# Altium PCB ApolloEcho_Dev_Kit.PcbDoc (part 1 of 2)
Units mm, origin at the board's own origin, x right, y up, seen from the top; angles counter-clockwise.
Board outline 50 x 99.25 mm, 4 copper layers (Top Copper, Plane Layer 1 (Ground), Plane Layer 2 (PWR), Bottom Copper), stack 1.57 mm thick; 69 components, 60 nets, 306 pads, 858 vias.
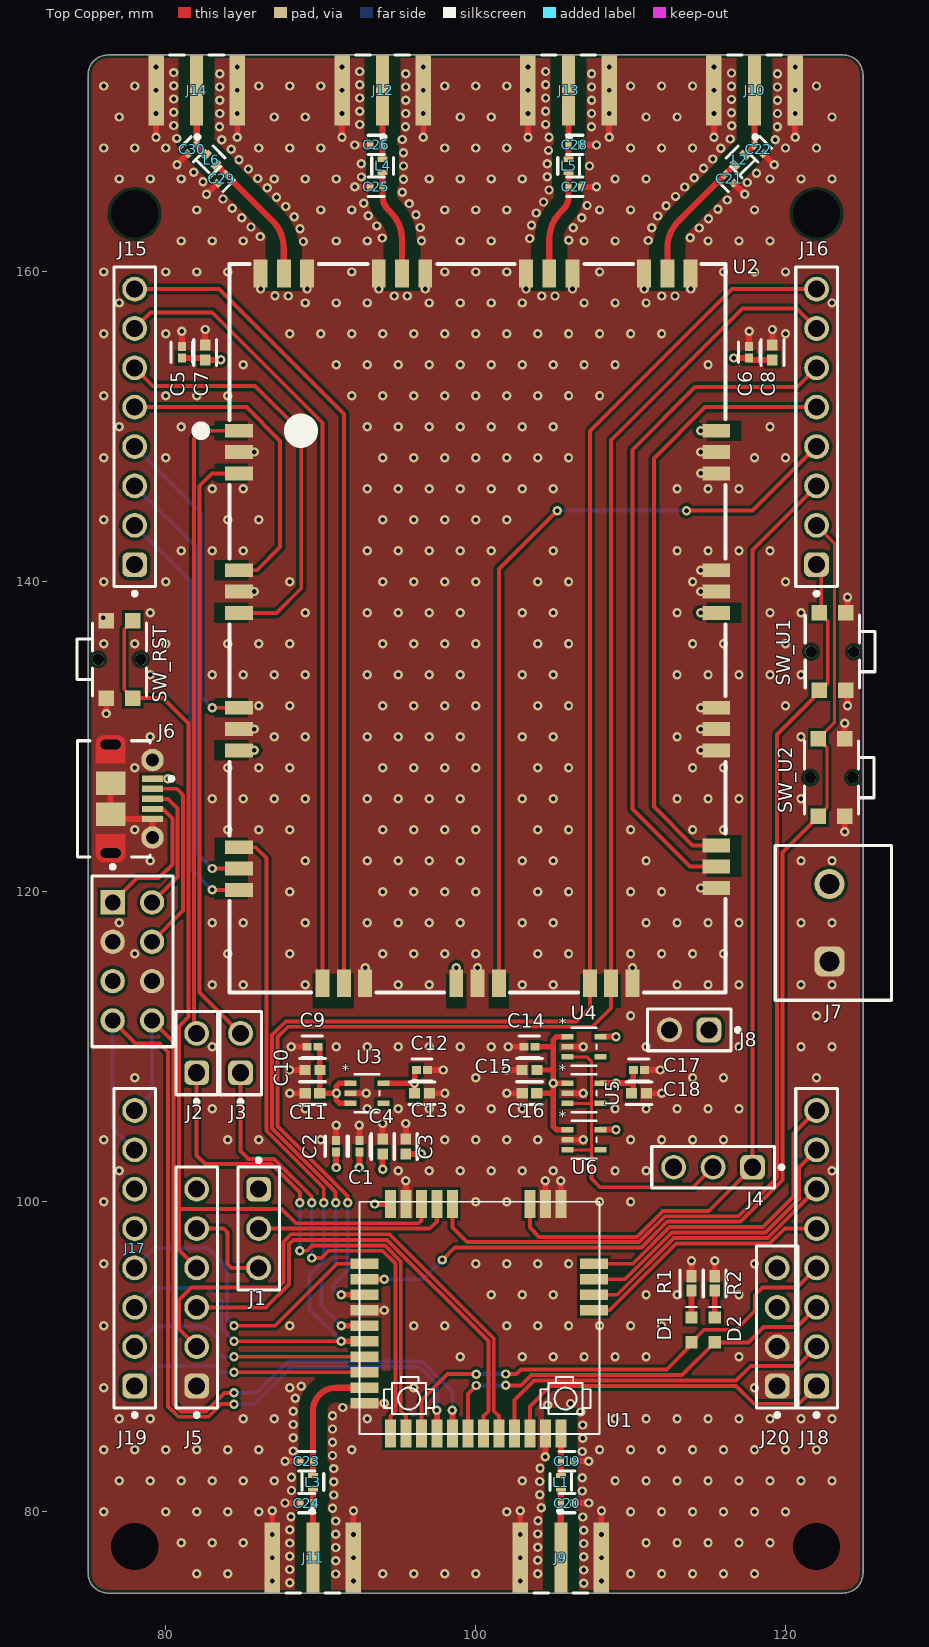
[diagram p0: Top Copper view]
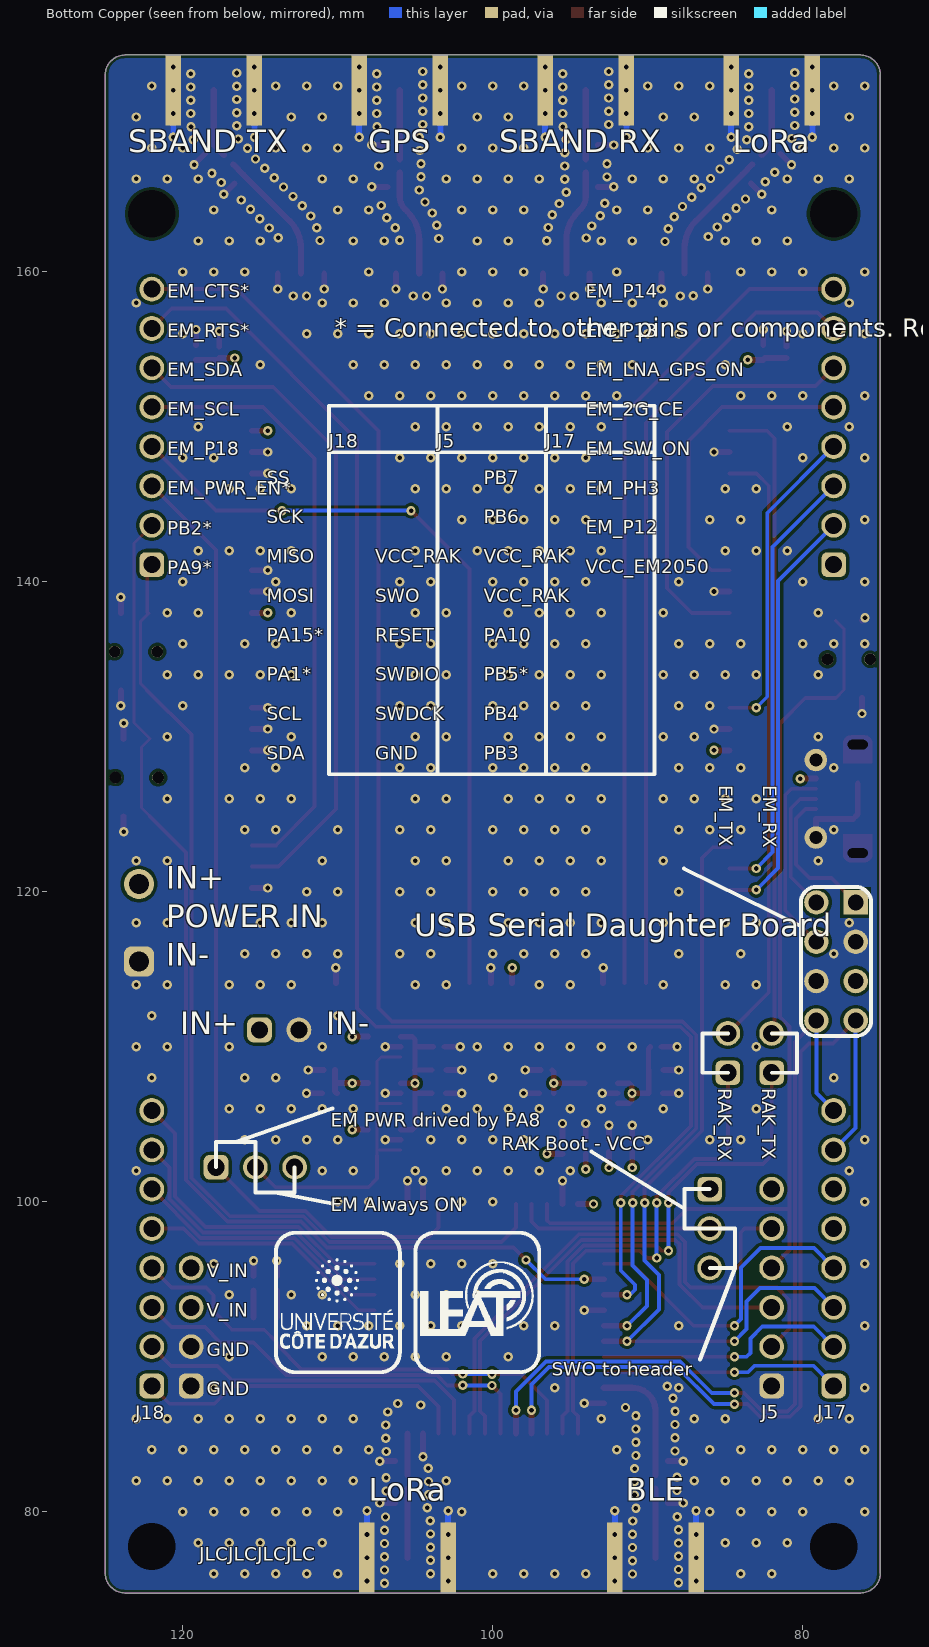
[diagram p1: Bottom Copper view, seen from below]
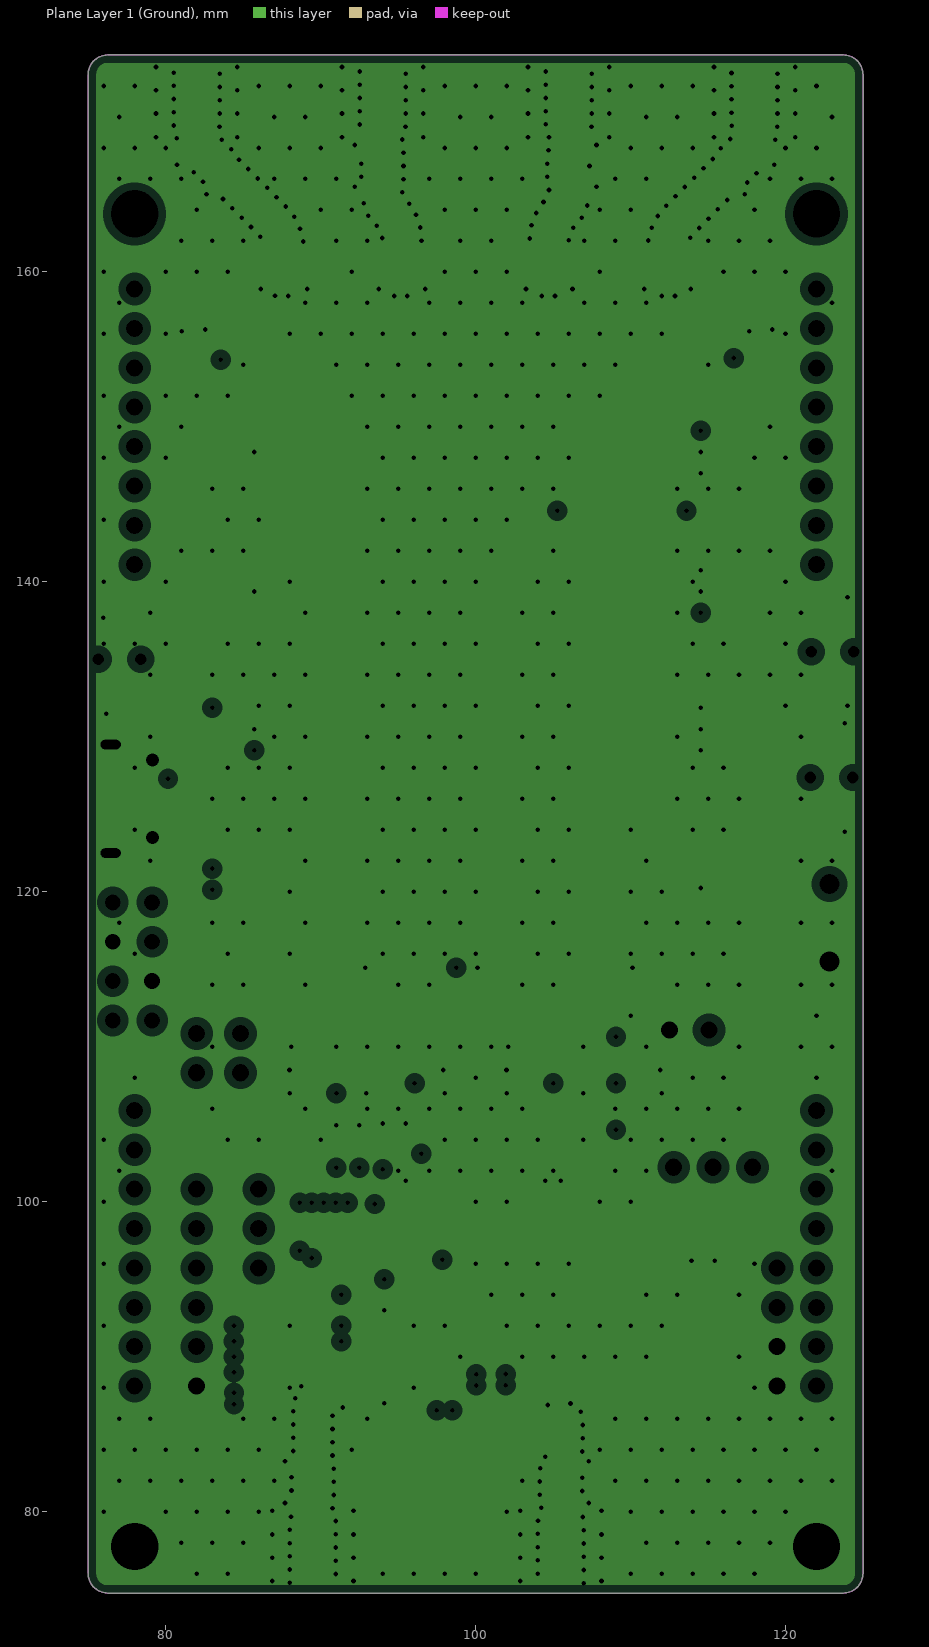
[diagram p2: Plane Layer 1 (Ground), clearances drawn from the general rule]
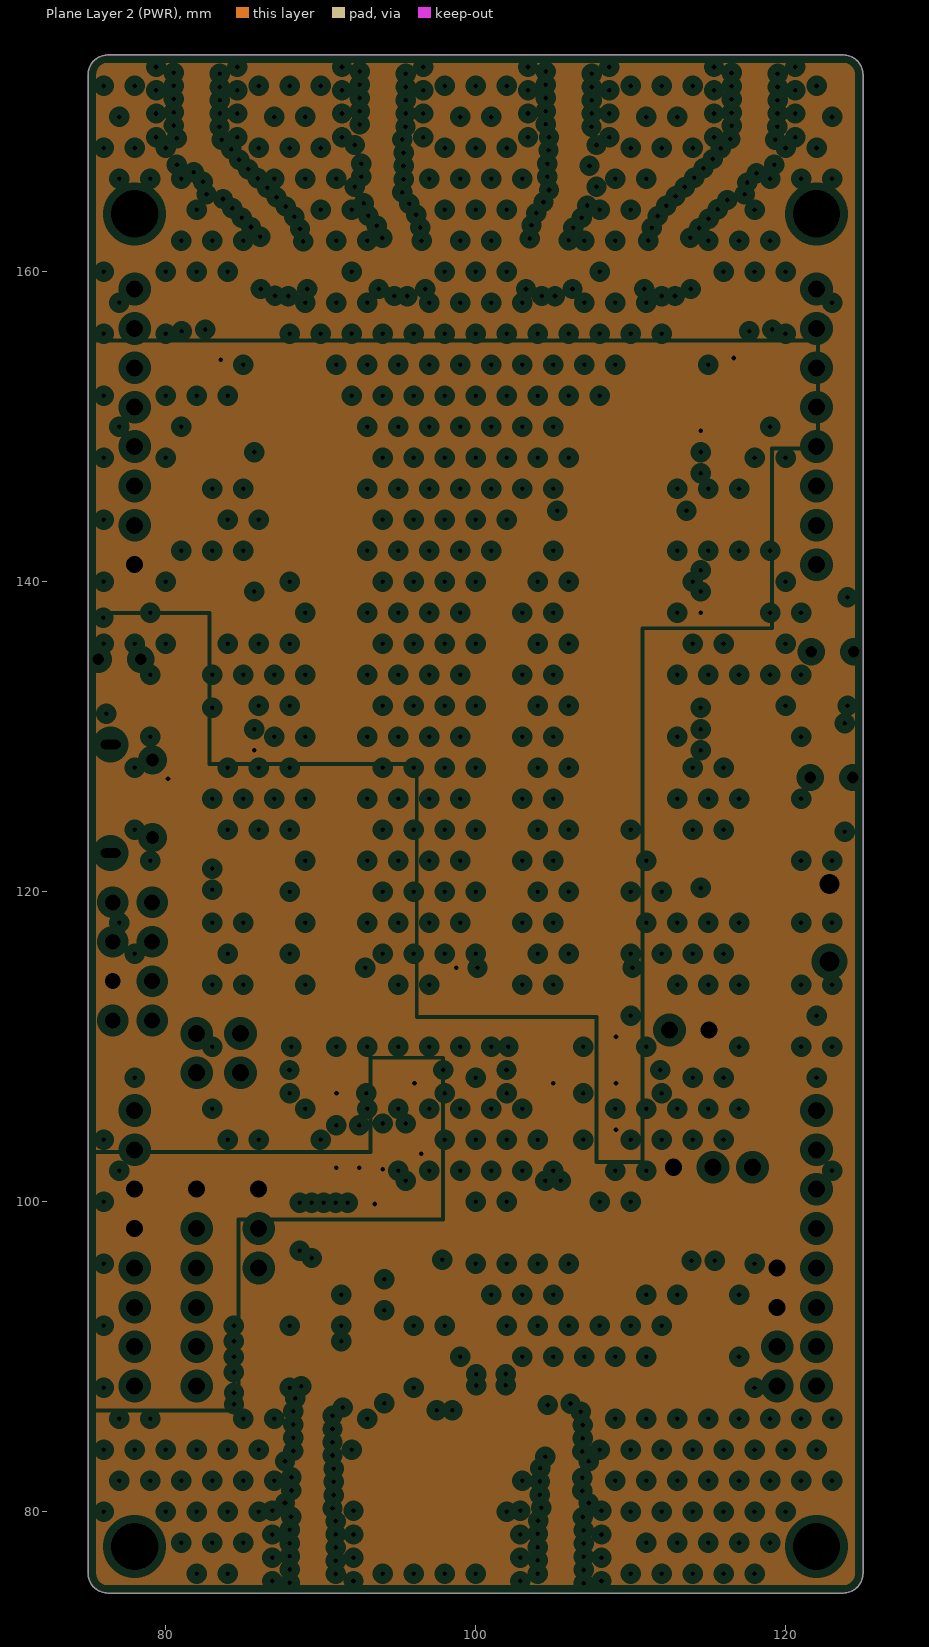
[diagram p3: Plane Layer 2 (PWR), clearances drawn from the general rule]
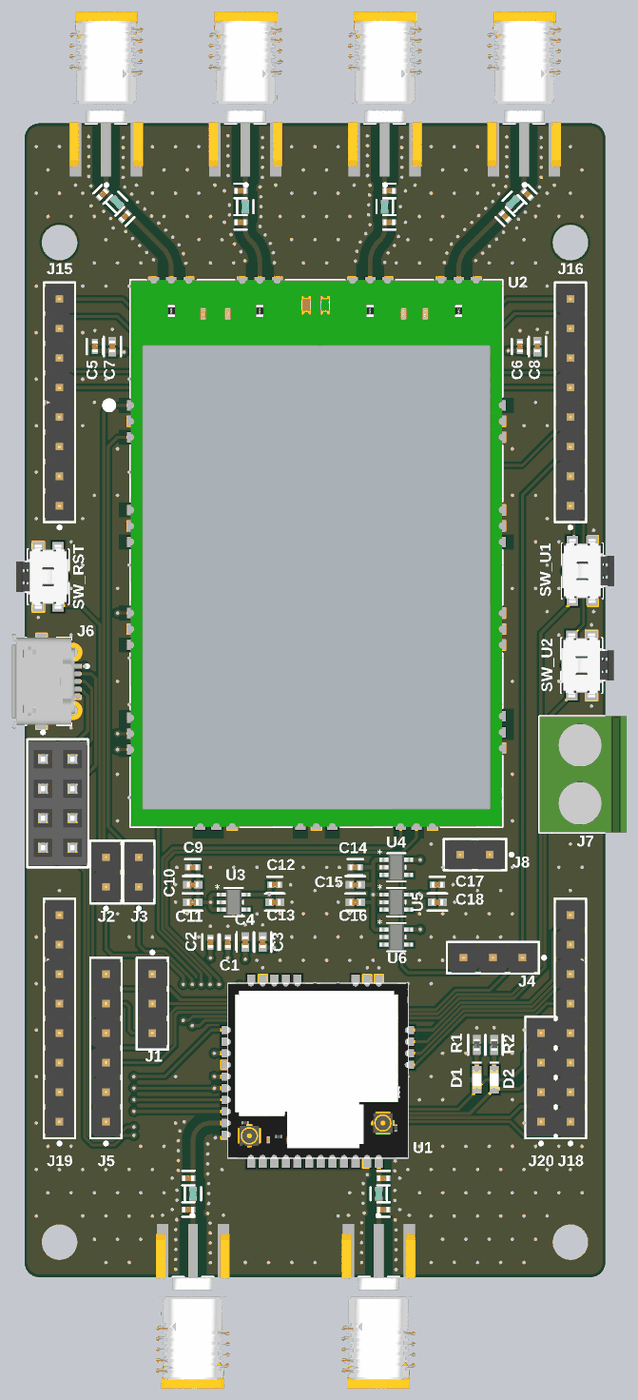
[diagram p5: 3D render of the assembled board from above, using the file's embedded part models]

## Layer stack, top to bottom
Top Mask: solder mask 0.015, Solder Resist, Dk 3.8
Top Copper: signal copper 0.035
Dielectric 1: prepreg 0.2, 7628, Dk 4.6
Plane Layer 1 (Ground): plane copper 0.0175, net GND
Core: core 1.065, FR-4, Dk 4.5
Plane Layer 2 (PWR): plane copper 0.0175, net (Multiple Nets)
Dielectric 2: prepreg 0.2, 7628, Dk 4.6
Bottom Copper: signal copper 0.035
Bottom Mask: solder mask 0.015, Solder Resist, Dk 3.8

## Board outline
75,76.02 ccw(c76.27,76.02) 76.27,74.75 123.73,74.75 ccw(c123.73,76.02) 125,76.02 125,172.73 ccw(c123.73,172.73) 123.73,174 76.27,174 ccw(c76.27,172.73) 75,172.73

## Design rules (kind name [scope] priority, off if disabled: settings)
BoardOutlineClearance [All] p1: gap=0.2 ignorepadtopadclearanceinfootprint=FALSE except(0.4: Arc-SplitBarrior Arc-SplitContinuation Track-SplitBarrior Track-SplitContinuation SMDPad-SplitBarrior SMDPad-SplitContinuation THPad-SplitBarrior THPad-SplitContinuation Via-SplitBarrior Via-SplitContinuation Fill-SplitBarrior Fill-SplitContinuation Poly-SplitBarrior Poly-SplitContinuation Region-SplitBarrior Region-SplitContinuation Text-SplitBarrior Text-SplitContinuation)
Clearance Clearance_RF [InNamedPolygon('GND_L01_P000') vs InNetClass('RF_Nets')] p1: gap=0.2 ignorepadtopadclearanceinfootprint=FALSE except(0.089: Arc-Arc Arc-Track Arc-SMDPad Track-Track Track-SMDPad SMDPad-SMDPad; 0.127: Arc-Via Track-Via SMDPad-Via THPad-Via Via-Via; 0.254: Arc-Text Track-Text SMDPad-Text THPad-Text Via-Text Fill-Text Poly-Text Region-Text Text-Text; 0.75: Arc-Poly Track-Poly SMDPad-Poly)
Clearance [All] p2: gap=0.2 ignorepadtopadclearanceinfootprint=FALSE except(0.089: Arc-Arc Arc-Track Arc-SMDPad Track-Track Track-SMDPad SMDPad-SMDPad; 0.127: Arc-Via Track-Via SMDPad-Via THPad-Via Via-Via; 0.254: Arc-Text Track-Text SMDPad-Text THPad-Text Via-Text Fill-Text Poly-Text Region-Text Text-Text)
HoleSize [All] p1: absolutevalues=TRUE maxlimit=6.3 minlimit=0.2 maxpercent=80.000 minpercent=20.000
MinimumAnnularRing [All] p1: minimumring=0.076
MinimumSolderMaskSliver [All] p1: minsoldermaskwidth=0.1
PlaneClearance [All] p1: clearance=0.508
PlaneConnect [All] p1: planeconnectstyle=Direct reliefexpansion=0.508 reliefentries=4 reliefconductorwidth=0.254 reliefairgap=0.254
PolygonConnect PolygonConnect_1 [All] p1: connectstyle=Direct reliefconductorwidth=0.508 reliefentries=4 polygonreliefangle="90 Angle" airgapwidth=0.254
RoutingCorners [All] p1: cornerstyle=Round minsetback=2.54 maxsetback=2.54
RoutingVias [All] p1: holewidth=0.5 width=1 viastyle="Through Hole" minholewidth=0.2 minwidth=0.45 maxholewidth=1 maxwidth=2
SilkToSilkClearance [All] p1: silktosilkclearance=0.1
SilkToSolderMaskClearance [IsPad] p1: minsilkscreentomaskgap=0.1 clearancetoexposedcopper=TRUE
SolderMaskExpansion [All] p1: expansion=0.102 istentingtop=FALSE
Width [All] p1: maxlimit=2.54 minlimit=0.089 preferedwidth=0.381
23 further rules are at their usual default settings.

## Classes and differential pairs
net class RF_Nets: EM_RF_GPS EM_RF_LORA_SBAND_RX EM_RF_LORA_SBAND_TX EM_RF_LORA_SUBGHZ NetC20_1 NetC22_1 NetC24_1 NetC26_1 NetC28_1 NetC30_1 RAK_BLE_RF_OUT RAK_RF_OUT
component class RF: C19 C20 C21 C22 C23 C24 C25 C26 C27 C28 C29 C30 J9 J10 J11 J12 J13 J14 L1 L2 L3 L4 L5 L6
component class RAK11720: C1 C2 C3 C4 D1 D2 J1 J5 R1 R2 SW_RST SW_U1 SW_U2 U1
component class Power: C9 C10 C11 C12 C13 C14 C15 C16 C17 C18 J4 J6 J7 J8 U3 U4 U5 U6
component class IOs: J15 J16 J17 J18 J19 J20
component class EM2050: C5 C6 C7 C8 J2 J3 U2

## Components (designator, comment, footprint, x,y, rotation, side; value= is the part's Value field where it differs from the comment)
C1 "0402ZD104KAT2A" FP-0402-L_1_0_1-W_0_5_0_1-IPC_C 92.5,103.571 r90 top locked
C2 "0402ZD104KAT2A" FP-0402-L_1_0_1-W_0_5_0_1-IPC_C 91,103.571 r90 top locked
C3 "EMK105BJ105KV-F" FP-0402-L_1_0_0_05-W_0_5-IPC_A 95.5,103.571 r90 top locked
C4 "EMK105BJ105KV-F" FP-0402-L_1_0_0_05-W_0_5-IPC_A 94,103.571 r90 top locked
C5 "0402ZD104KAT2A" FP-0402-L_1_0_1-W_0_5_0_1-IPC_C 81.047,154.807 r90 top
C6 "0402ZD104KAT2A" FP-0402-L_1_0_1-W_0_5_0_1-IPC_C 117.652,154.807 r90 top
C7 "EMK105BJ105KV-F" FP-0402-L_1_0_0_05-W_0_5-IPC_A 82.547,154.807 r90 top
C8 "EMK105BJ105KV-F" FP-0402-L_1_0_0_05-W_0_5-IPC_A 119.152,154.807 r90 top
C9 "0402ZD104KAT2A" FP-0402-L_1_0_1-W_0_5_0_1-IPC_C 89.472,110 r180 top
C10 "EMK105BJ105KV-F" FP-0402-L_1_0_0_05-W_0_5-IPC_A 89.472,108.5 r180 top
C11 "C1005X5R1A225K050BC" FP-C1005-050-0_05-IPC_A 89.472,107 r180 top
C12 "0402ZD104KAT2A" FP-0402-L_1_0_1-W_0_5_0_1-IPC_C 96.54,108.5 r0 top
C13 "EMK105BJ105KV-F" FP-0402-L_1_0_0_05-W_0_5-IPC_A 96.54,107 r0 top
C14 "0402ZD104KAT2A" FP-0402-L_1_0_1-W_0_5_0_1-IPC_C 103.472,110 r180 top
C15 "EMK105BJ105KV-F" FP-0402-L_1_0_0_05-W_0_5-IPC_A 103.472,108.5 r180 top
C16 "C1005X5R1A225K050BC" FP-C1005-050-0_05-IPC_A 103.472,107 r180 top
C17 "0402ZD104KAT2A" FP-0402-L_1_0_1-W_0_5_0_1-IPC_C 110.54,108.5 r0 top
C18 "EMK105BJ105KV-F" FP-0402-L_1_0_0_05-W_0_5-IPC_A 110.54,107 r0 top
C19 "GJM1555C1H5R0CB01D" FP-GJM155-0_05-MFG 105.9,83.26 r0 top locked
C20 "GJM1555C1H5R0CB01D" FP-GJM155-0_05-MFG 105.9,80.56 r0 top locked
C21 "GJM1555C1H5R0CB01D" FP-GJM155-0_05-MFG 116.374,165.998 r315 top locked
C22 "GJM1555C1H5R0CB01D" FP-GJM155-0_05-MFG 118.283,167.907 r315 top locked
C23 "GJM1555C1H5R0CB01D" FP-GJM155-0_05-MFG 89.1,83.26 r180 top locked
C24 "GJM1555C1H5R0CB01D" FP-GJM155-0_05-MFG 89.1,80.56 r180 top locked
C25 "GJM1555C1H5R0CB01D" FP-GJM155-0_05-MFG 93.6,165.49 r180 top locked
C26 "GJM1555C1H5R0CB01D" FP-GJM155-0_05-MFG 93.6,168.19 r180 top locked
C27 "GJM1555C1H5R0CB01D" FP-GJM155-0_05-MFG 106.4,165.49 r0 top locked
C28 "GJM1555C1H5R0CB01D" FP-GJM155-0_05-MFG 106.4,168.19 r0 top locked
C29 "GJM1555C1H5R0CB01D" FP-GJM155-0_05-MFG 83.626,165.998 r225 top locked
C30 "GJM1555C1H5R0CB01D" FP-GJM155-0_05-MFG 81.717,167.907 r225 top locked
D1 "150060VS75000" WL-SMCW_0603_150060xx75000 113.933,91.729 r270 top locked
D2 "150060RS75000" WL-SMCW_0603_150060xx75000 115.433,91.729 r270 top locked
J1 "61300311121" 61300311121 86,98.27 r270 top
J2 "61300211121" 61300211121 82,109.594 r90 top
J3 "61300211121" 61300211121 84.833,109.594 r90 top
J4 "61300311121" 61300311121 115.323,102.225 r180 top
J5 "61300611121" 61300611121 82,94.46 r90 top
J6 "105017-0001" USB-MICRO-B_V 77.8,126 r270 top
J7 "691137710002" 691137710002 123.082,118 r90 top
J8 "61300211121" 61300211121 113.781,111.088 r180 top
J9 "EMPCB.SMAFSTJ.B.HT" FP-EMPCB_SMAFSTJ_B_HT-MFG 105.5,70 r180 top locked
J10 "EMPCB.SMAFSTJ.B.HT" FP-EMPCB_SMAFSTJ_B_HT-MFG 118,178.75 r0 top locked
J11 "EMPCB.SMAFSTJ.B.HT" FP-EMPCB_SMAFSTJ_B_HT-MFG 89.5,70 r180 top locked
J12 "EMPCB.SMAFSTJ.B.HT" FP-EMPCB_SMAFSTJ_B_HT-MFG 94,178.75 r0 top locked
J13 "EMPCB.SMAFSTJ.B.HT" FP-EMPCB_SMAFSTJ_B_HT-MFG 106,178.75 r0 top locked
J14 "EMPCB.SMAFSTJ.B.HT" FP-EMPCB_SMAFSTJ_B_HT-MFG 82,178.75 r0 top locked
J15 "61300811121" 61300811121 78,150 r90 top
J16 "61300811121" 61300811121 122,150 r90 top
J17 "61300811121" 61300811121 78,97 r90 top
J18 "61300811121" 61300811121 122,97 r90 top locked
J19 "PPTC042LFBN-RC" FP-PPTC042LFBN-RC-MFG 77.851,115.505 r270 top
J20 "61300411121" 61300411121 119.46,91.92 r90 top locked
L1 "LQW15AN2N9D00D" FP-LQW15AN_00-W0_6-0_1-MFG 105.5,81.91 r270 top locked
L2 "LQW15AN2N9D00D" FP-LQW15AN_00-W0_6-0_1-MFG 117.045,167.235 r45 top locked
L3 "LQW15AN2N9D00D" FP-LQW15AN_00-W0_6-0_1-MFG 89.5,81.91 r270 top locked
L4 "LQW15AN2N9D00D" FP-LQW15AN_00-W0_6-0_1-MFG 94,166.84 r90 top locked
L5 "LQW15AN2N9D00D" FP-LQW15AN_00-W0_6-0_1-MFG 106,166.84 r90 top locked
L6 "LQW15AN2N9D00D" FP-LQW15AN_00-W0_6-0_1-MFG 82.955,167.235 r135 top locked
R1 "RMCF0402FT1K00" FP-RMCF0402-IPC_A 113.933,94.729 r270 top locked
R2 "RMCF0402FT1K00" FP-RMCF0402-IPC_A 115.433,94.729 r270 top locked
SW_RST "436333045822" 436333045822 77.025,135 r270 top
SW_U1 "436333045822" 436333045822 123.022,135.5 r90 top
SW_U2 "436333045822" 436333045822 122.968,127.372 r90 top
U1 "RAK11720" RAK11720 108,100 r180 top locked
U2 "IOT SAT module" EM2050 100.125,137 r90 top locked value=EM2050
U3 "STLQ020C33R" SOT323-5L_STM 93,107 r0 top locked
U4 "STLQ020C33R" SOT323-5L_STM 107,110 r0 top
U5 "STLQ020C33R" SOT323-5L_STM 107,107 r0 top
U6 "STLQ020C33R" SOT323-5L_STM 107,104 r0 top

## Footprints (in the part's own frame and the unit in brackets; to place one, negate y for a bottom-side part, rotate by r counter-clockwise, add the part's x,y. Pads: shape width x height; smd on the part's side, far side on the other; paste and mask are expansions set on the pad)
61300211121 [mm] "Pin Header, pitch 2.54 mm, THT, Vertical, single row, 2p"
  rrect50% 1.6x1.6 hole 1.1: 1(-1.27,0)
  round 1.6 hole 1.1: 2(1.27,0)
  silkscreen extent -3.26,-1.35 2.69,1.35, body extent -2.54,-1.27 2.54,1.27, height 8.57
61300311121 [mm] "Pin Header, pitch 2.54 mm, THT, Vertical, single row, 3p"
  rrect50% 1.6x1.6 hole 1.1: 1(-2.54,0)
  round 1.6 hole 1.1: 2(0,0) 3(2.54,0)
  silkscreen extent -4.53,-1.35 3.96,1.35, body extent -3.81,-1.27 3.81,1.27, height 8.57
61300411121 [mm] "Pin Header, pitch 2.54 mm, THT, Vertical, single row, 4p"
  rrect50% 1.6x1.6 hole 1.1: 1(-3.81,0)
  round 1.6 hole 1.1: 2(-1.27,0) 3(1.27,0) 4(3.81,0)
  silkscreen extent -5.8,-1.35 5.23,1.35, body extent -5.08,-1.27 5.08,1.27, height 8.57
61300611121 [mm] "Pin Header, pitch 2.54 mm, THT, Vertical, single row, 6p"
  rrect50% 1.6x1.6 hole 1.1: 1(-6.35,0)
  round 1.6 hole 1.1: 2(-3.81,0) 3(-1.27,0) 4(1.27,0) 5(3.81,0) 6(6.35,0)
  silkscreen extent -8.34,-1.35 7.77,1.35, body extent -7.62,-1.27 7.62,1.27, height 8.57
61300811121 [mm] "Pin Header, pitch 2.54 mm, THT, Vertical, single row, 8p"
  rrect50% 1.6x1.6 hole 1.1: 1(-8.89,0)
  round 1.6 hole 1.1: 2(-6.35,0) 3(-3.81,0) 4(-1.27,0) 5(1.27,0) 6(3.81,0) 7(6.35,0) 8(8.89,0)
  silkscreen extent -10.88,-1.35 10.31,1.35, body extent -10.16,-1.27 10.16,1.27, height 8.57
436333045822 [mm] "3.5x4.7 mm SMD J-Bend side push"
  rect 1x1 smd: A1(-2.5,0.85) A2(2.5,0.85) B1(-2.5,-0.85) B2(2.5,-0.85)
  round 0.75 hole 0.75 unplated: MH1(0,1.375) MH2(0,-1.375)
  silkscreen extent -2.35,-2.75 2.35,1.75, body extent -2.75,-2.75 2.75,1.75, height 1.65
691137710002 [mm] "Horizontal Cable Entry with Pressure Clamp, pitch 5mm, 02p"
  rrect50% 1.95x1.95 hole 1.3: 1(-2.5,0.25)
  round 1.95 hole 1.3: 2(2.5,0.25)
  silkscreen extent -5,-3.75 5,3.75, body extent -5,-3.75 5,3.75, height 11.6
EM2050 [mm]
  rect 0.9x1.8 smd mask+0.05: P1(12.75,15.4) P2(11.375,15.4) P3(10,15.4) P4(3.75,15.4) P5(2.375,15.4) P6(1,15.4) P7(-5.125,15.4) P8(-6.5,15.4) P9(-7.875,15.4) P10(-14.125,15.4) P11(-15.5,15.4) P12(-16.875,15.4) P22(-16.75,-15.4) P23(-15.375,-15.4) P24(-14,-15.4) P25(-7.875,-15.4) P26(-6.5,-15.4) P27(-5.125,-15.4) P28(1,-15.4) P29(2.375,-15.4) P30(3.75,-15.4) P31(10,-15.4) P32(11.375,-15.4) P33(12.75,-15.4)
  rect 1.8x0.9 smd mask+0.05: P13(-22.9,10) P14(-22.9,8.625) P15(-22.9,7.25) P16(-22.9,1.375) P17(-22.9,0) P18(-22.9,-1.375) P19(-22.9,-7.25) P20(-22.9,-8.625) P21(-22.9,-10) P34(22.9,-13.75) P35(22.9,-12.25) P36(22.9,-10.75) P37(22.9,-6.125) P38(22.9,-4.625) P39(22.9,-3.125) P40(22.9,3.375) P41(22.9,4.875) P42(22.9,6.375) P43(22.9,11) P44(22.9,12.5) P45(22.9,14)
  silkscreen extent -23.5,-16 23.5,17.95, body extent -23.5,-16 23.5,16, height 3.04
FP-0402-L_1_0_0_05-W_0_5-IPC_A [mm]
  rect 0.715x0.672 smd paste+0 mask+0: 1(-0.479,0) 2(0.479,0)
  silkscreen extent -0.84,-0.74 0.84,0.74, body extent -1.04,-0.54 1.04,0.54, height 0.25
FP-0402-L_1_0_1-W_0_5_0_1-IPC_C [mm]
  rect 0.581x0.512 smd paste+0 mask+0: 1(-0.366,0) 2(0.366,0)
  silkscreen extent -0.66,-0.7 0.66,0.7, body extent -0.76,-0.4 0.76,0.4, height 0.25
FP-C1005-050-0_05-IPC_A [mm]
  rect 0.739x0.672 smd paste+0 mask+0: 1(-0.467,0) 2(0.467,0)
  silkscreen extent -0.84,-0.74 0.84,0.74, body extent -1.04,-0.54 1.04,0.54, height 0.25
FP-EMPCB_SMAFSTJ_B_HT-MFG [mm]
  rect 0.85x4.56 smd paste+0 mask+0: 1(0,-7.03)
  rect 1x4.56 smd paste+0 mask+0: 2(-2.62,-7.03) 3(2.62,-7.03)
  rect 1x4.56 smd far side paste+0 mask+0: 4(-2.62,-7.03) 5(2.62,-7.03)
  silkscreen extent -1.75,-10.17 1.75,-4.75, body extent -3.32,-9.41 3.32,5.35, height 0.25
FP-GJM155-0_05-MFG [mm]
  rect 0.4x0.5 smd paste+0 mask+0: 1(-0.4,0) 2(0.4,0)
  silkscreen extent -0.53,-0.63 0.53,0.63, body extent -0.7,-0.38 0.7,0.38, height 0.25
FP-LQW15AN_00-W0_6-0_1-MFG [mm]
  rect 0.35x0.65 smd paste+0 mask+0: 1(-0.425,0) 2(0.425,0)
  silkscreen extent -0.55,-0.7 0.55,0.7, body extent -0.7,-0.45 0.7,0.45, height 0.25
FP-PPTC042LFBN-RC-MFG [mm]
  rect 1.57x1.57 hole 1.02 paste-1000 mask+0: 1(-3.81,-1.27)
  round 1.57 hole 1.02 paste-1000 mask+0: 2(-3.81,1.27) 3(-1.27,-1.27) 4(-1.27,1.27) 5(1.27,-1.27) 6(1.27,1.27) 7(3.81,-1.27) 8(3.81,1.27)
  silkscreen extent -6.23,-2.62 5.51,2.62, body extent -5.61,-2.72 5.61,2.72, height 0.25
FP-RMCF0402-IPC_A [mm]
  rect 0.781x0.672 smd paste+0 mask+0: 1(-0.466,0) 2(0.466,0)
  silkscreen extent -0.86,-0.74 0.86,0.74, body extent -1.06,-0.54 1.06,0.54, height 0.25
RAK11720 [mm]
  rect 0.7x1.8 smd: 1(13.5,14.945) 2(12.5,14.945) 3(11.5,14.945) 4(10.5,14.945) 5(9.5,14.945) 6(8.5,14.945) 7(7.5,14.945) 8(6.5,14.945) 9(5.5,14.945) 10(4.5,14.945) 11(3.5,14.945) 12(2.5,14.945) 17(2.5,0.145) 18(3.5,0.145) 19(4.5,0.145) 20(9.5,0.145) 21(10.5,0.145) 22(11.5,0.145) 23(12.5,0.145) 24(13.5,0.145)
  rect 1.8x0.7 smd: 13(0.365,7) 14(0.365,6) 15(0.365,5) 16(0.365,4) 25(15.165,4) 26(15.165,5) 27(15.165,6) 28(15.165,7) 29(15.165,8) 30(15.165,9) 31(15.165,10) 32(15.165,11) 33(15.165,12) 34(15.165,13)
  silkscreen extent 0,0 15.5,15, body extent 0,0 15.5,15, height 3.5
SOT323-5L_STM [mm]
  rect 0.777x0.35 smd paste+0 mask+0: 1(-1.062,0.65) 2(-1.062,0) 3(-1.062,-0.65) 4(1.062,-0.65) 5(1.062,0.65)
  silkscreen extent -0.8,-1.22 0.8,1.22, body extent -1.45,-1.09 1.45,1.09, height 1.09
USB-MICRO-B_V [mm] "USB, MICRO B, Body 7.491x4.695 mm, Pitch 0.65 mm"
  rect 0.4x1.35 smd: 1(-1.3,1.35) 2(-0.65,1.35) 3(0,1.35) 4(0.65,1.35) 5(1.3,1.35)
  round 1.45 hole 0.85: 6(-2.5,1.35) 7(2.5,1.35)
  rrect50% 0x0 hole 0.6 slot 1.3 at 90 deg: 8(-3.5,-1.35) 11(3.5,-1.35)
  rect 1.5x1.9 smd: 9(-1,-1.35) 10(1,-1.35)
  Top Copper circle w0.5: c-3.6,-1.8 r0.25
  Top Copper circle w0.5: c-3.6,-0.9 r0.25
  Top Copper circle w0.5: c3.6,-1.8 r0.25
  Top Copper circle w0.5: c3.6,-0.9 r0.25
  Top Copper region: -3.6,-1.8 -3.6,-0.9 -4.1,-0.9 -4.1,-1.8
  Top Copper region: 3.6,-0.9 3.6,-1.8 4.1,-1.8 4.1,-0.9
  Top Copper region: 2.3,-0.4 2.3,-2.3 3.6,-2.3 3.6,-0.4
  Top Copper region: -2.3,-2.3 -2.3,-0.4 -3.6,-0.4 -3.6,-2.3
  silkscreen extent -3.75,-3.5 3.75,2.7, body extent -4.1,-3.9 4.1,1.5, height 2.67
WL-SMCW_0603_150060xx75000 [mm] "SMD Mono-color Chip LED, body 1.60 x 0.80 mm"
  rect 0.8x0.8 smd: 1(-0.8,0) 2(0.8,0)
  silkscreen extent -1.55,-0.4 -1.4,0.4, body extent -0.8,-0.4 0.8,0.4, height 0.7

## Part data
C1 C2 C5 C6 C9 C12 C14 C17: library part CMP-2008-02878-3, "General Purpose Ceramic Capacitor, 0402, 100nF, 10%, X5R, 15%, 10V", Capacitance=100nF, Case Code (Imperial)=0402, Case Code (Metric)=1005, Dielectric=X5R, Insulation Resistance=100GR, Max Operating Temperature=85°C, Min Operating Temperature=-55°C, Package Quantity=1, Tolerance=10%, Voltage=10V, Case/Package=0402, Construction=Flat, Contact Plating=Tin, Depth=0.5mm, Dissipation Factor=5%, Height=0.56mm, Lead Free="Lead Free", Length=1mm, Mount="Surface Mount", Packaging="Tape and Reel", Radiation Hardening=No, REACH SVHC="No SVHC", RoHS Compliant=Yes, Series=-, Termination=SMD/SMT, Thickness=0.022inch, Voltage Rating=10V, Voltage Rating (DC)=10V, Width=0.02inch
C3 C4 C7 C8 C10 C13 C15 C18: library part CMP-14477-000104-2, "None", Capacitance=1uF, Case Code (Imperial)=0402, Case Code (Metric)=1005, Dielectric=X5R, Max Operating Temperature=85°C, Min Operating Temperature=-55°C, Package Quantity=1, Tolerance=10%, Voltage Rating=16V, Case/Package=0402, Construction=Flat, Depth=0.5mm, Halogen Free="Halogen Free", Height=0.5mm, Length=1mm, Mount="Surface Mount", Number of Pins=2, Packaging="Tape and Reel", Radiation Hardening=No, RoHS Compliant=Yes, Series=M, Termination=SMD/SMT, Thickness=0.022inch, Voltage Rating (DC)=16V, Width=0.02inch
C11 C16: library part CMP-08246-002709-1, "Multilayer Ceramic Capacitors 2.2μF ±10% 10V X5R SMD 0402", Capacitance=2.2uF, Case Code (Imperial)=0402, Case Code (Metric)=1005, Dielectric=X5R, Dielectric Material=Ceramic, Max Operating Temperature=85°C, Min Operating Temperature=-55°C, Package Quantity=1, Tolerance=10%, Voltage=10V, Case/Package=0402, Construction=Flat, Depth=0.5mm, Height=0.5mm, Lead Free="Lead Free", Length=1mm, Mount="Surface Mount", Number of Pins=2, Packaging="Tape and Reel", Radiation Hardening=No, REACH SVHC="No SVHC", Resistor Type=Ceramic, RoHS Compliant=Yes, Series=C, Termination=SMD/SMT, Thickness=0.022inch, Voltage Rating=10V, Voltage Rating (DC)=10V, Weight=2.3E-05oz, Width=0.02inch
C19 C20 C21 C22 C23 C24 C25 C26 C27 C28 C29 C30: library part CMP-2008-03860-2, "Multi-Layer Ceramic Capacitor 5pF C0G  ±0.25pF 0402 Paper T/R", Capacitance=5pF, Case Code (Imperial)=0402, Case Code (Metric)=1005, Dielectric=C0G, Max Operating Temperature=125°C, Min Operating Temperature=-55°C, Package Quantity=1, Voltage Rating=50V, Case/Package=0402, Depth=0.5mm, Height=0.5mm, Lead Free="Lead Free", Length=1mm, Mount="Surface Mount", Packaging="Tape and Reel", Radiation Hardening=No, Termination=SMD/SMT, Thickness=0.022inch, Voltage Rating (DC)=50V, Width=0.02inch
D1: library part CMP-1426-00006-7, "WURTH ELEKTRONIK - 150060VS75000 - LED, Green, SMD, 0603, 30 mA, 2 V, 570 nm", Case Code (Imperial)=0603, Case Code (Metric)=1608, Color=Green, Forward Current=100mA, Forward Voltage=2V, Max Junction Temperature (Tj)=95°C, Max Operating Temperature=85°C, Max Reverse Voltage (DC)=5V, Min Operating Temperature=-40°C, Power Dissipation=72mW, Test Current=20mA, Case/Package=0603, Dominant Wavelength=570nm, Height=700µm, Length=1.6mm, Lens Style="Clear, Rectangular", Luminous Intensity=40mcd, Mount="Surface Mount", Number of Pins=2, Packaging="Tape and Reel", Peak Wavelength=572nm, REACH SVHC=Unknown, Reverse Voltage=5V, RoHS=Compliant, Viewing Angle=140°, Wavelength=570nm, Width=800µm
D2: library part CMP-1426-00001-4, "LED Low-Power Uni-Color Red 630nm 2V 2-Pin Chip 0603(1608Metric) T/R", Case Code (Imperial)=0603, Case Code (Metric)=1608, Color=Red, Forward Current=100mA, Forward Voltage=2V, Max Junction Temperature (Tj)=95°C, Max Operating Temperature=85°C, Max Reverse Voltage (DC)=5V, Min Operating Temperature=-40°C, Power Dissipation=72mW, Test Current=20mA, Case/Package=0603, Dominant Wavelength=625nm, Height=700µm, Length=1.6mm, Lens Style="Clear, Rectangular", Luminous Intensity=250mcd, Mount="Surface Mount", Packaging="Tape and Reel", Peak Wavelength=630nm, REACH SVHC=Unknown, Reverse Voltage=5V, RoHS=Compliant, Viewing Angle=140°, Wavelength=625nm, Width=800µm
J1 J4: library part CMP-1502-01062-3, Color=Black, Contact Resistance=20mΩ, Current Rating=3A, Max Operating Temperature=105°C, Min Operating Temperature=-40°C, Operating Supply Voltage=250V, Connector Type="Male Pin", Contact Material=Copper, Contact Mating Length=5.9944mm, Contact Plating=Gold, Gender=Male, Height=8.94mm, Lead Free="Lead Free", Lead Pitch=2.54mm, Mount="Through Hole", NexarPartId=32855521, Number of Contacts=3, Number of Pins=3, Number of Positions=3, Number of Rows=1, Orientation=Vertical, Packaging=Bulk, Pitch=2.54mm, REACH SVHC=Unknown, RoHS=Compliant, Termination=Solder, Voltage Rating=250V
J2 J3 J8: library part CMP-1712-00002-6, Color=Black, Contact Resistance=20mΩ, Current Rating=3A, Max Operating Temperature=125°C, Min Operating Temperature=-40°C, Operating Supply Voltage=250V, Connector Type="Male Pin", Contact Gender=Male, Contact Material=Copper, Contact Mating Length=5.9944mm, Contact Plating=Gold, Gender=Male, Height=8.94mm, Housing Material=PBT, Lead Free="Lead Free", Lead Pitch=2.54mm, Mount="Through Hole", NexarPartId=20081794, Number of Contacts=2, Number of Pins=2, Number of Positions=2, Number of Rows=1, Orientation=Vertical, Packaging=Bulk, Pitch=2.54mm, REACH SVHC="No SVHC", RoHS=Compliant, Termination="Through Hole", Voltage Rating=250V
J5: library part CMP-1502-01070-3, Color=Black, Contact Resistance=20mΩ, Current Rating=3A, Max Operating Temperature=105°C, Min Operating Temperature=-40°C, Operating Supply Voltage=250V, Connector Type="Male Pin", Contact Gender=Male, Contact Material=Copper, Contact Mating Length=5.9944mm, Contact Plating=Gold, Gender=Male, Height=8.89mm, Housing Material=PBT, Lead Free="Lead Free", Lead Pitch=2.54mm, Mount="Through Hole", NexarPartId=20084590, Number of Contacts=6, Number of Pins=6, Number of Positions=6, Number of Rows=1, Orientation=Vertical, Packaging=Bulk, Pitch=2.54mm, REACH SVHC=Unknown, RoHS=Compliant, Termination="Through Hole", Voltage Rating=250V
J6: library part CMP-2000-05827-1, "Micro-USB B Receptacle, Right Angle, Bottom Mount, Surface Mount, with Solder Tabs, -30 to 85 degC, 5-Pin USB, RoHS, Tape and Reel", Manufacturer=Molex, Package Description="5-Leads USB, Micro B, Body 7.5 x 5 mm, Pitch 0.65 mm", Package Reference=MICRO-B, Package Version="Rev. F, 12/2012", Standard Package=1, Voltage - Max=30V, 3D Model=105017-0001.stp, Catalog Drawings=1050170001, Category=Connectors,Interconnects, Circuits=5, Connector Type=USB-microB, Datasheet URL=http://www.molex.com/elqNow/elqRedir.htm?ref=http://www.molex.com/webdocs/datasheets/pdf/en-us/1050170001_IO_CONNECTORS.pdf, Datasheet Version=03/2016, Family=USB,DVI,HDMIConnectors, Featured Product=Micro-USBConnectorsUSBConnectors, Features=Shielded,SolderRetention, Gender=Receptacle, Ingress Protection=-, Manufacturer URL=http://www.molex.com/, Mating Products=WM17145-ND-CABLEMICROUSBBTOSTDA1.0MWM17147-ND-CABLEMICROUSBBTOSTDA2.0MWM17146-ND-CABLEMICROUSBBTOSTDA1.5M, Mounting Technology=SurfaceMount, Mounting Type=BoardCutout,SurfaceMount,RightAngle, Number of Contacts=5, Online Catalog=Molex-MicroUSB, Other Names=WM1399DKR, Package URL=http://www.molex.com/pdm_docs/sd/1050170001_sd.pdf, Packaging=Digi-Reel®, PCN Assembly/Origin=ResinSupplier21/Oct/2015, RoHS Information=1050170001CertofCompliance, Series=-, Specifications=-
J7: library part CMP-1502-03324-2, Current Rating=16A, Max Operating Temperature=120°C, Min Operating Temperature=-30°C, Voltage Rating=300V, Contact Material="Nickel, Tin", Height=11.6mm, Lead Pitch=5mm, NexarPartId=78871135, Number of Contacts=2, Number of Pins=2, Number of Rows=1, Packaging=Box, RoHS=Non-Compliant
J9 J10 J11 J12 J13 J14: library part CMP-111093-000001-1, "CONN SMA JACK STR 50OHM EDGE MNT", Frequency=12.4GHz, Manufacturer="Taoglas Limited", Package=0, Temperature="-40°C to +85°C", Temperature Range High=+85°C, Temperature Range Low=-40°C, Voltage Rating=335V, Automotive=No, Category=Conn, ComponentLink2Description=Datasheet, ComponentLink2URL=https://cdn.taoglas.com/datasheets/EMPCB.SMAFSTJ.B.HT.pdf, Conn Orientation=Horizontal, Contact Material=Gold, Device Class L1=Connectors, Device Class L2="RF / Coaxial Connectors", Device Class L3=unset, Digikey Description="CONN SMA JACK STR 50OHM EDGE MNT", Impedance=50Ω, Is Female=yes, Lead Free=Yes, Manufacturer Part Number=EMPCB.SMAFSTJ.B.HT, Mouser Description="RF Connectors / Coaxial Connectors SMA Straight Edge Mount PCB Jack-Gold", Number of Contacts=1, Octopart=https://octopart.com/empcb.smafstj.b.ht-taoglas-24204431, Pitch=2.62mm, RoHS=TRUE
J15 J16 J17 J18: library part CMP-1502-01076-3, Color=Black, Contact Resistance=20mΩ, Current Rating=3A, Max Operating Temperature=105°C, Min Operating Temperature=-40°C, Operating Supply Voltage=250V, Connector Type="Male Pin", Contact Material=Copper, Contact Mating Length=5.9944mm, Contact Plating=Gold, Gender=Male, Height=8.54mm, Lead Pitch=2.54mm, Mount="Through Hole", NexarPartId=32855533, Number of Contacts=8, Number of Pins=8, Number of Positions=8, Number of Rows=1, Orientation=Vertical, Packaging=Bulk, Pitch=2.54mm, REACH SVHC=Unknown, RoHS=Compliant, Termination=Solder, Voltage Rating=250V
J19: library part CMP-25680-000004-1, "CONN HDR 8POS 0.1 TIN PCB", Current Rating=3A, Manufacturer=Sullins, Temperature="-40°C to +105°C", Temperature Range High=+105°C, Temperature Range Low=-40°C, Voltage Rating=250V, Automotive=No, Category=Conn, ComponentLink2Description=Datasheet, ComponentLink2URL=https://drawings-pdf.s3.amazonaws.com/10492.pdf, Conn Gender=Female, Conn Orientation=Straight, Contact Material=Tin,Nickel, Device Class L1=Connectors, Device Class L2="Headers and Wire Housings", Device Class L3=unset, Digikey Description="CONN HDR 8POS 0.1 TIN PCB", Height=8.65mm, Is Female=yes, Lead Free=Yes, Manufacturer Part Number=PPTC042LFBN-RC, Number of Contacts=8, Number of Rows=2, Octopart=https://octopart.com/pptc042lfbn-rc-sullins-271088, Package=PPTC042LFBN-RC, Pitch=2.54mm, RoHS=TRUE
J20: library part CMP-1502-01064-3, Color=Black, Contact Resistance=20mΩ, Current Rating=3A, Max Operating Temperature=105°C, Min Operating Temperature=-40°C, Operating Supply Voltage=250V, Connector Type="Male Pin", Contact Material=Copper, Contact Mating Length=5.9944mm, Contact Plating=Gold, Gender=Male, Height=8.89mm, Lead Free="Lead Free", Lead Pitch=2.54mm, Mount="Through Hole", NexarPartId=32855522, Number of Contacts=4, Number of Pins=4, Number of Positions=4, Number of Rows=1, Orientation=Vertical, Packaging=Bulk, Pitch=2.54mm, REACH SVHC=Unknown, RoHS=Compliant, Termination=Solder, Voltage Rating=250V
L1 L2 L3 L4 L5 L6: library part CMP-06042-011289-1, "Wire Wound RF Inductor 2.9nH ±0.5nH 750mA 0.07Ω 0402 (1005)", Case Code (Imperial)=0402, Case Code (Metric)=1005, Current Rating=750mA, DC Resistance (DCR)=70mR, Inductance=2.9nH, Max Operating Temperature=125°C, Min Operating Temperature=-55°C, Package Quantity=1, Resistor Type=Wirewound, Self Resonant Frequency=15GHz, Test Frequency=100MHz, Case/Package=0402, Core Material=Non-Magnetic, DC Current=750mA, Depth=0.7mm, Height=0.5mm, Height - Seated (Max)=0.024inch, Length=1mm, Max DC Current=750mA, Military Standard=Not, Mount="Surface Mount", Packaging="Tape and Reel", Q Factor=20, Radiation Hardening=No, Shielding=Unshielded, Termination=SMD/SMT, Weight=2.8E-05oz, Width=0.02inch
R1 R2: library part CMP-26527-000026-1, "1kΩ ±1% 0.063W 0402 Thick Film Chip Resistor AEC-Q200 compliant", Case Code (Imperial)=0402, Case Code (Metric)=1005, Max Operating Temperature=155°C, Max Power Dissipation=63mW, Min Operating Temperature=-55°C, Resistance=1kR, Resistor Type="Thick Film", Temperature Coefficient=100ppm/°C, Tolerance=1%, Case/Package=0402, Construction=Rectangular, Contact Plating=Tin, Depth=0.5mm, Features="Automotive AEC-Q200", Height=0.016inch, Lead Free="Lead Free", Length=1mm, Military Standard=Not, Mount="Surface Mount", Number of Terminations=2, Packaging="Tape and Reel", Power Rating=63mW, Radiation Hardening=No, RoHS Compliant=Yes, Series=RMCF, Size Code=0402, Width=0.02inch
SW_RST SW_U1 SW_U2: library part CMP-1464-00001-2, Contact Current Rating=50mA, Contact Resistance=100mΩ, Insulation Resistance=100MΩ, Max Operating Temperature=85°C, Min Operating Temperature=-40°C, Operating Force=220N, Voltage Rating=12V, Contact Plating=Silver, Current Rating=50mA, Height=1.65mm, NexarPartId=22866045, Packaging="Tape and Reel", RoHS=Compliant, Width=4.7mm
U1: "RAK11720 Ambiq Apollo3 Blue SX1262 LoRa Bluetooth Module for LoRaWAN", Package=Package, Availability="Not in stock", Check_prices=https://www.snapeda.com/parts/RAK3172/Shenzhen+RAKwireless+Technology+Co.%252CLtd./view-part/?ref=eda, MF="Shenzhen RAKwireless Technology Co.,Ltd.", MP=RAK3172, Price=None, SnapEDA_Link=https://www.snapeda.com/parts/RAK3172/Shenzhen+RAKwireless+Technology+Co.%252CLtd./view-part/?ref=snap
U2: library part EM2050, "Echostar Mobile IOT SAT Module - Basic version", Manufacturer="Echostar Mobile Ltd", Package="Module SMD 47x32mm", Manufacturer P/N=EM2050, MSL=3, Release=1.0, Release date=01/08/2022, RoHS Compliant=Yes, VCCPA=3.3V, VCCRF=3.3V
U3 U4 U5 U6: "No Description Available", Mfr_Name=STMicroelectronics, Copyright="Copyright (C) 2023 Ultra Librarian. All rights reserved.", Manufacturer_Part_Number=STLQ020C33R, RefDes=RefDes, Type=DEV

## Free pads (board coordinates)
  round 0 hole 3.05: 3(122,77.75) 3(122,163.75) 4(78,77.75) 4(78,163.75)

## Via types
v1: diameter 0.6, hole 0.3, Top Copper to Bottom Copper, tented both sides, 858 vias

## Nets (pads, with @x,y where several pads share a name; then routed paths per layer and width w, separated by ;. In a path a pad name is that pad's centre, name@x,y a point inside that pad or via, vN(x,y) a via of type N, cw(c..) or ccw(c..) an arc to the next point about the centre after c; other vN are vias at no path point)
BTN_USER_1: J16.1 SW_U1.A1 SW_U1.A2 U1.20 | length 65.8
  Top Copper w0.203: J16.1@122,141.11 122.3,140.81 SW_U1.A2@122.3,138 ; SW_U1.A2@122.172,138 122.722,137.45 122.722,133.422 SW_U1.A1@122.3,133
  Top Copper w0.254: U1.20@98.5,99.855 98.5,98.336 99.441,97.394 110.552,97.394 112.221,99.063 116.961,99.063 119.443,101.546 119.443,130.143 SW_U1.A1@122.3,133
BTN_USER_2: J16.2 SW_U2.A1 SW_U2.A2 U1.26 | length 74.2
  Top Copper w0.203: J16.2@122,143.65 123.149,142.501 123.149,130.903 SW_U2.A2@122.118,129.872 122.668,129.322 122.668,125.422 SW_U2.A1@122.118,124.872
  Top Copper w0.254: v1(97.854,96.246) 98.652,97.044 110.697,97.044 112.366,98.713 117.106,98.713 119.794,101.4 119.794,122.548 SW_U2.A1@122.118,124.872
  Top Copper w0.381: U1.26@92.835,95 v1(94.104,95)
  Bottom Copper w0.254: v1(94.104,95) 96.608,95 v1(97.854,96.246)
EM_2G_CE: J15.5 U2.P4 | length 20.4
  Top Copper w0.254: J15.5@78,151.27 85.207,151.27 87.375,149.102 87.375,142.24 85.885,140.75 U2.P4@84.725,140.75
EM_CTS: J16.8 U1.29 U2.P19 | length 99.7
  Top Copper w0.254: v1(90.97,99.928) 90.97,100.632 86.869,104.733 86.869,110.763 87.748,111.643 106.508,111.643 107.375,112.509 U2.P19@107.375,114.1 107.375,149.731 116.534,158.89 J16.8@122,158.89
  Top Copper w0.381: v1(91.335,92) U1.29@92.835,92
  Bottom Copper w0.254: v1(90.97,99.928) 90.97,95.879 90.052,94.961 90.052,93.283 v1(91.335,92)
EM_LNA_GPS_ON: J15.6 U2.P6 | length 27.2
  Top Copper w0.254: J15.6@78,153.81 79.165,152.645 85.776,152.645 88.75,149.671 88.75,142.24 88.75,139.589 87.161,138 U2.P6@84.725,138
EM_NRST: J17.3 U1.30 U2.P10 | length 53.8
  Top Copper w0.254: v1(84.406,91) v1(91.335,91) ; U2.P10@84.725,122.875 85.802,122.875 86.506,122.171 86.506,104.583 90.199,100.891 v1(90.199,99.928)
  Top Copper w0.381: v1(91.335,91) U1.30@92.835,91
  Bottom Copper w0.254: J17.3@78,93.19 79.241,94.431 82.746,94.431 83.62,93.558 83.62,91.786 v1(84.406,91) ; v1(90.199,99.928) 90.199,96.198 89.281,95.281 89.281,93.054 v1(91.335,91)
EM_P12: J15.2 U2.P12 | length 27.3
  Top Copper w0.254: v1(83,120.125) U2.P12@84.725,120.125
  Bottom Copper w0.254: J15.2@78,143.65 81.596,140.054 81.596,121.529 v1(83,120.125)
EM_P13: J15.7 U2.P13 | length 51.7
  Top Copper w0.254: J15.7@78,156.35 79.035,157.385 83.008,157.385 90.125,150.267 U2.P13@90.125,114.1
EM_P14: J15.8 U2.P14 | length 53.6
  Top Copper w0.254: J15.8@78,158.89 83.447,158.89 91.5,150.837 U2.P14@91.5,114.1
EM_P18: J16.4 U2.P18 | length 50.5
  Top Copper w0.254: U2.P18@101.5,114.1 101.5,140.823 v1(105.27,144.593) ; v1(113.605,144.593) 117.863,144.593 J16.4@122,148.73
  Bottom Copper w0.254: v1(105.27,144.593) v1(113.605,144.593)
EM_PH3: J15.3 U2.P11 | length 28.5
  Top Copper w0.254: v1(83,121.5) U2.P11@84.725,121.5
  Bottom Copper w0.254: J15.3@78,146.19 81.945,142.245 81.945,122.555 v1(83,121.5)
EM_PWR_EN: J4.1 J16.3 U1.19 | length 63.7
  Top Copper w0.254: U1.19@103.5,99.855 103.5,98.336 104.097,97.738 110.41,97.738 112.078,99.407 115.045,99.407 J4.1@117.863,102.225 117.863,142.053 J16.3@122,146.19
EM_RF_GPS: C27.1 L5.1 U2.P38 | length 7.8
  Top Copper w0.4: U2.P38@104.75,159.9 104.75,162.073 cw(c107.29,162.073) 105.494,163.869 105.655,164.03 ccw(c104.822,164.863) 106,164.863 C27.1@106,165.49 ; C27.1@106,165.49 L5.1@106,166.415 C27.1@106,165.49
EM_RF_LORA_SBAND_RX: C25.1 L4.1 U2.P41 | length 6.9
  Top Copper w0.4: L4.1@94,166.415 C25.1@94,165.49 94,164.863 ccw(c95.178,164.863) 94.345,164.03 94.506,163.869 cw(c92.71,162.073) 95.25,162.073 U2.P41@95.25,159.9
EM_RF_LORA_SBAND_TX: C21.1 L2.1 U2.P35 | length 8.7
  Top Copper w0.4: U2.P35@112.375,159.9 112.375,161.513 cw(c114.915,161.513) 113.119,163.309 C21.1@116.091,166.281 L2.1@116.745,166.935
EM_RF_LORA_SUBGHZ: C29.1 L6.1 U2.P44 | length 8.7
  Top Copper w0.4: L6.1@83.255,166.935 C29.1@83.909,166.281 86.881,163.309 cw(c85.085,161.513) 87.625,161.513 U2.P44@87.625,159.9
EM_RTS: J16.7 U1.27 U2.P20 | length 97
  Top Copper w0.254: v1(91.741,99.928) 91.741,100.357 87.219,104.879 87.219,110.618 87.893,111.292 107.532,111.292 108.75,112.509 U2.P20@108.75,114.1 108.75,149.162 117.224,157.636 120.714,157.636 J16.7@122,156.35
  Top Copper w0.381: v1(91.335,94) U1.27@92.835,94
  Bottom Copper w0.254: v1(91.335,94) 91.144,94 90.823,94.32 90.823,94.642 91.741,95.56 v1(91.741,99.928)
EM_SCL: J16.5 U2.P24 | length 39.4
  Top Copper w0.254: U2.P24@115.525,123 114.001,123 111.5,125.501 111.5,127.698 111.5,147.955 114.815,151.27 J16.5@122,151.27
EM_SDA: J16.6 U2.P23 | length 44.2
  Top Copper w0.254: U2.P23@115.525,121.625 113.836,121.625 110.125,125.336 110.125,132.08 110.125,148.524 114.164,152.564 120.754,152.564 J16.6@122,153.81
EM_SW_ON: J15.4 U2.P7 | length 20.7
  Top Copper w0.254: v1(83,131.875) U2.P7@84.725,131.875
  Bottom Copper w0.254: J15.4@78,148.73 82.29,144.44 82.29,132.585 v1(83,131.875)
EM_UART_RXD: J2.2 U2.P1 | length 41.6
  Top Copper w0.254: J2.2@82,110.864 81.826,111.038 81.826,149.267 82.309,149.75 U2.P1@84.725,149.75
EM_UART_TXD: J3.2 U2.P3 | length 39.3
  Top Copper w0.254: U2.P3@84.725,147 82.988,147 82.191,146.203 82.191,113.506 J3.2@84.833,110.864